# Altium PCB LimePSB-RPCM_1v3.PcbDoc (part 4 of 10)
Units mm, origin at the board's own origin, x right, y up, seen from the top; angles counter-clockwise.
Board outline 170 x 110 mm, 6 copper layers (Top, L2, L3, L4, L5, Bottom), stack 1.583 mm thick; 946 components, 565 nets, 4035 pads, 1752 vias.
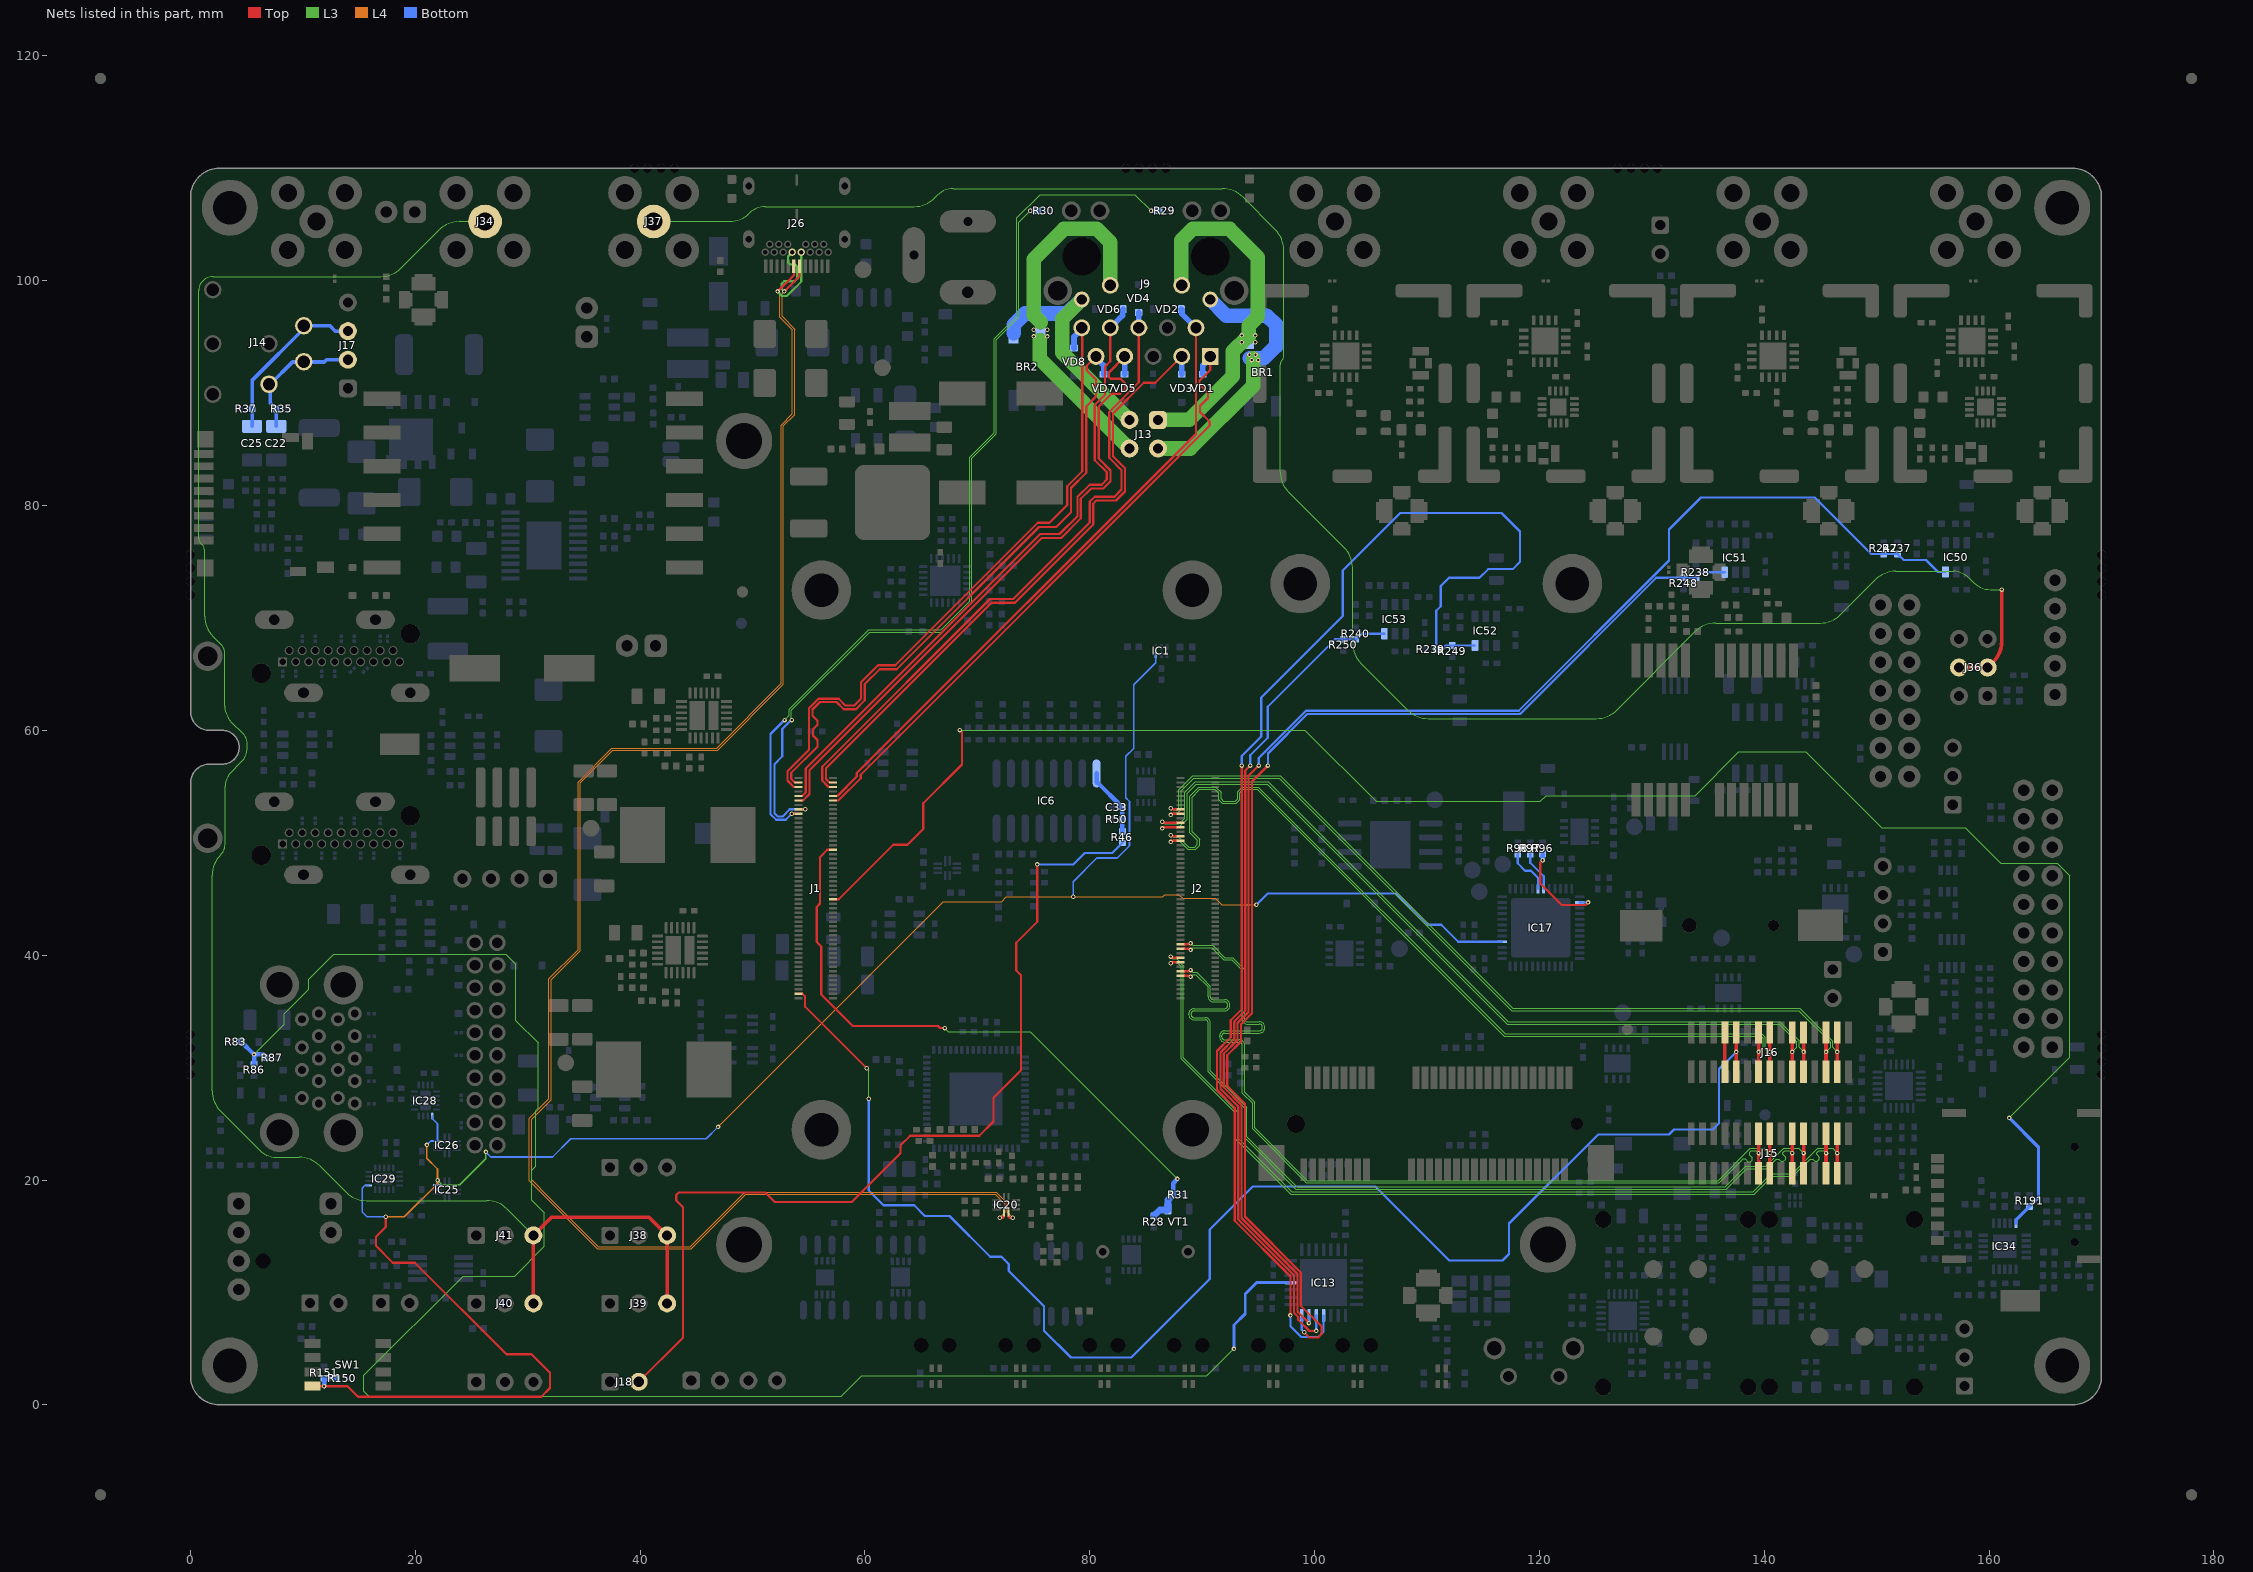
[diagram p8: the nets of this part, all layers, seen from the top]

## Part data (continued)
J21 J34 J37 J47 J48 J51 J52: library part RF_IF_connector, "CONN SMA JACK STR 50OHM EDGE MNT", Manufacturer=Linx, Manufacturer Part Number 1=CONSMA002-L-G, Supplier Part Number 1=CONSMA002-L-G-ND, Part Description="SMA Connector Receptacle, Female Socket 50Ohm Panel Mount, Through Hole, Right Angle Solder", Pricing 1="1=4.08, 25=3.67, 100=3.32, 250=3.25, 500=3, 1000=2.80001, 2000=2.5875 (USD)", Stock 1=815, Supplier 1=Digi-Key
J22 J33 J35 J44 J45 J46 J49 J50: library part RF_IF_connector, "CONN UMC RCPT STR 50 OHM SMD", Dielectric Material="Liquid Crystal Polymer (LCP)", Frequency - Max=6GHz, Housing Color=Silver, Manufacturer="Molex, LLC", Manufacturer Part Number 1=0734120110, Operating Temperature="-40°C ~ 90°C", Supplier Part Number 1=WM5587CT-ND, Voltage Rating=60V, Body Finish=Nickel, Body Material="Phosphor Bronze", Cable Group=-, Category="Connectors, Interconnects", Center Contact Material=Brass, Center Contact Plating=Gold, Connector Style="Ultra Miniature Coaxial", Connector Type="Jack, Male Pin", Contact Termination=Solder, Fastening Type=Snap-On, Features=-, Impedance="50 Ohm", Ingress Protection=-, Mounting Type="Surface Mount", Packaging="Cut Tape (CT)", Part Description="CONN UMC RCPT STR 50 OHM SMD", RoHS="RoHS Compliant", Shield Termination=Solder, Supplier 1=Digi-Key
J23: library part "Header 4X1 LOCK", Manufacturer=Molex, Manufacturer Part Number 1=47053-1000, Supplier Part Number 1=WM4330-ND, ComponentLink1Description=https://datasheet.ciiva.com/22683/1701278-22683428.pdf?src-supplier=Element14, ComponentLink1URL=https://datasheet.ciiva.com/22683/1701278-22683428.pdf?src-supplier=Element14, ComponentLink2Description=https://datasheet.ciiva.com/30226/191140470531000-pcb-headers-30226282.pdf?src-supplier=Onlinecomponents.com, ComponentLink2URL=https://datasheet.ciiva.com/30226/191140470531000-pcb-headers-30226282.pdf?src-supplier=Onlinecomponents.com, ComponentLink3Description=https://datasheet.ciiva.com/5153/0470531000-pcb-headers-146351-5153461.pdf?src-supplier=Mouser, ComponentLink3URL=https://datasheet.ciiva.com/5153/0470531000-pcb-headers-146351-5153461.pdf?src-supplier=Mouser, ComponentLink4Description=https://datasheet.ciiva.com/10090/0470531000-pcb-headers-10090525.pdf?src-supplier=Avnet, ComponentLink4URL=https://datasheet.ciiva.com/10090/0470531000-pcb-headers-10090525.pdf?src-supplier=Avnet, Manufacturer 1=Molex, Part Description="Connector Header Through Hole 4 position 0.100\" (2.54mm)", Pricing 1="1=0,56000, 10=0,47100, 100=0,36650, 1000=0,28797, 5000=0,25307, 10000=0,23561 (USD)", RoHS=Yes, Stock 1=76671, Supplier 1=Digi-Key
J26: library part DUAL_USB-C_632723100011, Manufacturer="Wurth Electronics", Manufacturer Part Number 1=632723100011, Supplier Part Number 1=732-9617-1-ND, ComponentLink1Description=http://www.alliedelec.com/m/d/e03b7b5d71e2d3e369c52d5c8eaca2b6.pdf?src-supplier=Allied+Electronics, ComponentLink1URL=http://www.alliedelec.com/m/d/e03b7b5d71e2d3e369c52d5c8eaca2b6.pdf?src-supplier=Allied+Electronics, ComponentLink2Description=http://www.jae.com/z-en/pdf_download_exec.cfm?param=SJ115995.pdf&src-supplier=Digi-Key, ComponentLink2URL=http://www.jae.com/z-en/pdf_download_exec.cfm?param=SJ115995.pdf&src-supplier=Digi-Key, ComponentLink3Description=https://www.mouser.com/ds/2/445/632723x00011-782157.pdf?src-supplier=Mouser, ComponentLink3URL=https://www.mouser.com/ds/2/445/632723x00011-782157.pdf?src-supplier=Mouser, ComponentLink4Description=https://katalog.we-online.de/em/datasheet/632723x00011.pdf?src-supplier=Digi-Key, ComponentLink4URL=https://katalog.we-online.de/em/datasheet/632723x00011.pdf?src-supplier=Digi-Key, Connector Type=USB, Gender=Receptacle, Mount="Surface Mount,Through Hole", Number of Contacts=24, Packaging="Tape and Reel", Part Description="USB - C (Type - C) USB 3.1 (USB 3.1 Gen 2, Superspeed+) Receptacle Connector 24 Position Surface Mount, Right Angle; Through Hole", Pricing 1="1=4,10000, 10=3,80000, 50=3,20000, 100=2,95000 (USD)", RoHS=Yes, Stock 1=1127, Supplier 1=Digi-Key
J28: "Header, 10-Pin, Dual row", Manufacturer=Molex, Manufacturer Part Number 1=87831-5920, Supplier Part Number 1=538-87831-5920, Part Description="Connector Header Through Hole 20 position 0.079\" (2.00mm). 19 pins loaded (pin 20 void)", Pricing 1="1=2,22, 10=1,98, 50=1,98, 100=1,74, 1000=1,49, 10000=1,35 (USD)", RoHS=Yes, Stock 1=4168, Supplier 1=Mouser
J30: library part Dual_USB_48406-0003_Molex, Manufacturer=Molex, Manufacturer Part Number 1=0484060003, Supplier Part Number 1=538-48406-0003, ComponentLink1Description=https://datasheet.octopart.com/48406-0003-Molex-datasheet-33003502.pdf?src-supplier=Newark, ComponentLink1URL=https://datasheet.octopart.com/48406-0003-Molex-datasheet-33003502.pdf?src-supplier=Newark, ComponentLink2Description=https://datasheet.octopart.com/48406-0003-Molex-datasheet-101583044.pdf?src-supplier=Farnell, ComponentLink2URL=https://datasheet.octopart.com/48406-0003-Molex-datasheet-101583044.pdf?src-supplier=Farnell, ComponentLink3Description=https://www.molex.com/pdm_docs/sd/484060003_sd.pdf?src-supplier=Digikey, ComponentLink3URL=https://www.molex.com/pdm_docs/sd/484060003_sd.pdf?src-supplier=Digikey, ComponentLink4Description=https://datasheet.octopart.com/484060003-Molex-datasheet-168216735.pdf?src-supplier=TME, ComponentLink4URL=https://datasheet.octopart.com/484060003-Molex-datasheet-168216735.pdf?src-supplier=TME, ComponentLink5Description=https://datasheet.octopart.com/48406-0003-Molex-datasheet-21137617.pdf?src-supplier=Sager+Electronics, ComponentLink5URL=https://datasheet.octopart.com/48406-0003-Molex-datasheet-21137617.pdf?src-supplier=Sager+Electronics, ComponentLink6Description=https://datasheet.octopart.com/48406-0003-Molex-datasheet-154752298.pdf?src-supplier=Master+Electronics, ComponentLink6URL=https://datasheet.octopart.com/48406-0003-Molex-datasheet-154752298.pdf?src-supplier=Master+Electronics, Part Description="USB Connectors USB 3.0 F/A STD RA REC STACKED 15u'", Pricing 1="1=2,69, 10=1,92, 50=1,92, 100=1,82, 1000=1,78, 10000=1,43 (USD)", RoHS=Yes, Stock 1=4086, Supplier 1=Mouser
J31 J32: library part HDMI_2007435-3, Contact Current Rating=500mA, Housing Color=Black, Manufacturer="TE Connectivity", Manufacturer Part Number 1=2007435-3, Max Operating Temperature=185°C, Min Operating Temperature=-4°C, Supplier Part Number 1=A118325-ND, Circuit Application=Signal, ComponentLink1Description=https://datasheet.octopart.com/RAVHD19ETR-Switchcraft-datasheet-151548520.pdf?src-supplier=Sager+Electronics, ComponentLink1URL=https://datasheet.octopart.com/RAVHD19ETR-Switchcraft-datasheet-151548520.pdf?src-supplier=Sager+Electronics, ComponentLink2Description=https://datasheet.ciiva.com/29660/eng-cd-2007435-d-29660043.pdf?src-supplier=Digikey, ComponentLink2URL=https://datasheet.ciiva.com/29660/eng-cd-2007435-d-29660043.pdf?src-supplier=Digikey, Connector System=Cable-to-Board, Connector Type=Receptacle, Contact Material="Copper Alloy", Contact Plating=Gold, ELV=Compliant, Gender=Receptacle, Housing Material=Polybutylene, Insulation Color=Black, Lead Free="Lead Free", Length=7.7mm, Mount="Through Hole", Number of Contacts=19, Number of Ports=1, Number of Positions=19, Orientation="Right Angle", Packaging="Tape and Reel", Part Description="CONN RCPT HDMI 19POS PCB R/A", Pitch=0.039inch, Plating="Stainless Steel", Preloaded=Yes, Pricing 1="1=6, 10=4,899, 25=4,7592, 40=3,93475, 168=3,89262 (USD)", RoHS=Yes, RoHS Compliant=Yes, Series=-, Shielding=Shielded, Stock 1=79, Supplier 1=Digikey, Tail Length=2.3mm, Termination="Through Hole"
J36: "Header, 2-Pin, Dual row", Manufacturer="Adam Equipment", Manufacturer Part Number=PH2-06-UA, Supplier Part Number 1=2057-PH2-06-UA-ND, ComponentLink1Description=http://uk.rs-online.com/webdocs/1406/0900766b81406898.pdf, ComponentLink1URL=http://uk.rs-online.com/webdocs/1406/0900766b81406898.pdf, ComponentLink2Description=https://www.verical.com/server-webapp/html/getDatasheet?partID=483857, ComponentLink2URL=https://www.verical.com/server-webapp/html/getDatasheet?partID=483857, ComponentLink3Description=http://www.farnell.com/cad/112195.pdf, ComponentLink3URL=http://www.farnell.com/cad/112195.pdf, ComponentLink4Description=https://datasheet.ciiva.com/16479/page-292-295-16479745.pdf?src-supplier=Future+Electronics, ComponentLink4URL=https://datasheet.ciiva.com/16479/page-292-295-16479745.pdf?src-supplier=Future+Electronics, Lead Free="Lead Free", Manufacturer 1="Adam Equipment", Manufacturer Part Number 1=PH2-06-UA, Part Description="Connector Header Through Hole 6 position 0.100\" (2.54mm)", Pricing 1="1=0,13000, 10=0,10400, 100=0,07640, 500=0,06326, 1000=0,05535, 5000=0,04744, 10000=0,04612 (USD)", RoHS=Yes, Stock 1=59749, Supplier 1=Digi-Key
J54: "Power Connector, THT, 2.1mm ID, 5.5mm OD", Color=Black, Current Rating=2.5A, Flammability Rating="UL94 V-0", Insulation Resistance=50MR, Manufacturer=CUI, Manufacturer Part Number 1=PJ-002A, Max Operating Temperature=85°C, Min Operating Temperature=-25°C, Package Quantity=500, Supplier Part Number 1=CP-002A-ND, Voltage Rating=24V, ComponentLink1Description=https://www.verical.com/server-webapp/html/getDatasheet?partID=110865, ComponentLink1URL=https://www.verical.com/server-webapp/html/getDatasheet?partID=110865, ComponentLink2Description=http://www.switchcraft.com/Documents/Jack_Schematics.pdf, ComponentLink2URL=http://www.switchcraft.com/Documents/Jack_Schematics.pdf, Connector Type=Jack, Contact Gender=Male, Contact Material="Copper,Copper Alloy", Contact Plating=Nickel,Tin, Diameter=2.1mm, Gender=Male, Housing Color=Black, Housing Material=Thermoplastic, Lead Free="Lead Free", Mount="Through Hole", Number of Conductors=2, Orientation=Horizontal, Packaging=Bulk, Part Description="Power Barrel Connector Jack 2.10mm ID (0.083\"), 5.50mm OD (0.217\") Through Hole, Right Angle", Pricing 1="1 = 0,60000, 10 = 0,55800, 25 = 0,50240, 50 = 0,44640, 100 = 0,42780, 250 = 0,39060, 500 = 0,37200, 1000 = 0,30690, 2500 = 0,27900 (USD)", RoHS=Yes, Shielding=Unshielded, Stock 1=181439, Supplier 1=Digi-Key, Termination="Through Hole"
J57: library part Header4P, "Header, 4-pin", Manufacturer=Molex, Manufacturer Part Number=0874370443, Supplier Part Number 1=WM7664CT-ND, ComponentLink1Description=http://katalog.we-online.de/em/datasheet/6130xx11121.pdf, ComponentLink1URL=http://katalog.we-online.de/em/datasheet/6130xx11121.pdf, ComponentLink2Description=https://datasheet.ciiva.com/6813/874370443-sd-6813714.pdf?src-supplier=Digi-Key, ComponentLink2URL=https://datasheet.ciiva.com/6813/874370443-sd-6813714.pdf?src-supplier=Digi-Key, ComponentLink3Description=https://datasheet.ciiva.com/3935/197970874370443-pcb-headers-3935892.pdf?src-supplier=Arrow+Electronics, ComponentLink3URL=https://datasheet.ciiva.com/3935/197970874370443-pcb-headers-3935892.pdf?src-supplier=Arrow+Electronics, ComponentLink4Description=https://datasheet.ciiva.com/6813/874370443-sd-6813717.pdf?src-supplier=Digi-Key, ComponentLink4URL=https://datasheet.ciiva.com/6813/874370443-sd-6813717.pdf?src-supplier=Digi-Key, ComponentLink5Description=https://datasheet.ciiva.com/6813/874370443-sd-6813721.pdf?src-supplier=Digi-Key, ComponentLink5URL=https://datasheet.ciiva.com/6813/874370443-sd-6813721.pdf?src-supplier=Digi-Key, Manufacturer 1=Molex, Manufacturer Part Number 1=0874370443, Part Description="Connector Header Surface Mount 4 position 0.059\" (1.50mm)", Pricing 1="1=0,72000, 10=0,61200, 100=0,47560 (USD)", RoHS=Yes, Stock 1=30818, Supplier 1=Digi-Key
L1: library part Inductor_0603, DC Current Rating=420, DC Resistance Max=0.58, High Frequency Inductor Case="0402 [1005 Metric]", Inductance=47, Inductance Tolerance="± 5%", Inductor Construction=Wirewound, Manufacturer=COILCRAFT, Manufacturer Part Number=0402HP-47NXJLU, Self Resonant Frequency Min=2.4, Supplier Part Number 1=2285856, Inductor Case Style="0402 [1005 Metric]", Manufacturer Part Number 1=0402HP-47NXJLU, Packaging="Cut Tape", Part Description="INDUCTOR, RF, 47NH, 5%, 2.4GHZ, SMD; Product Range:0402HP Series; Inductance:47nH; Inductance Tolerance:± 5%; High Frequency Inductor Case:0402 [1005 Metric]; Self Resonant Frequency Min:2.4GHz; DC Resistance Max:0.58ohm; DC Current Rating:420mA", Product Range=0402, RoHS=Y-EX, Supplier 1=Farnell, SVHC="No SVHC (15-Jun-2015)"
L2 L3: library part Inductor, Manufacturer=TDK, Manufacturer Part Number 1=MLZ1608DR22DT000, Supplier Part Number 1=445-6387-1-ND, ComponentLink1Description=http://productfinder.pulseeng.com/products/datasheets/WC701.pdf, ComponentLink1URL=http://productfinder.pulseeng.com/products/datasheets/WC701.pdf, ComponentLink2Description=https://datasheet.ciiva.com/11799/0900766b80a002db-11799279.pdf?src-supplier=RSComponents, ComponentLink2URL=https://datasheet.ciiva.com/11799/0900766b80a002db-11799279.pdf?src-supplier=RSComponents, ComponentLink3Description=https://datasheet.ciiva.com/14124/qhlqw18a-data-e-14124619.pdf?src-supplier=Distrelec, ComponentLink3URL=https://datasheet.ciiva.com/14124/qhlqw18a-data-e-14124619.pdf?src-supplier=Distrelec, ComponentLink4Description=https://datasheet.ciiva.com/6705/l0075s0080lqw18a-00-6705627.pdf?src-supplier=Digi-Key, ComponentLink4URL=https://datasheet.ciiva.com/6705/l0075s0080lqw18a-00-6705627.pdf?src-supplier=Digi-Key, ComponentLink5Description=https://datasheet.ciiva.com/6705/l0075s0080lqw18a-00-6705626.pdf?src-supplier=Digi-Key, ComponentLink5URL=https://datasheet.ciiva.com/6705/l0075s0080lqw18a-00-6705626.pdf?src-supplier=Digi-Key, ComponentLink6Description=https://datasheet.ciiva.com/6705/l0075s0080lqw18a-00-6705631.pdf?src-supplier=Digi-Key, ComponentLink6URL=https://datasheet.ciiva.com/6705/l0075s0080lqw18a-00-6705631.pdf?src-supplier=Digi-Key, ComponentLink7Description=https://datasheet.ciiva.com/4977/product-4977173.pdf?src-supplier=Mouser, ComponentLink7URL=https://datasheet.ciiva.com/4977/product-4977173.pdf?src-supplier=Mouser, ComponentLink8Description=https://datasheet.ciiva.com/46391/1487239-46391853.pdf?src-supplier=Element14, ComponentLink8URL=https://datasheet.ciiva.com/46391/1487239-46391853.pdf?src-supplier=Element14, ComponentLink9Description=https://datasheet.ciiva.com/8507/l0075s0080lqw18a-00-8507496.pdf?src-supplier=Avnet, ComponentLink9URL=https://datasheet.ciiva.com/8507/l0075s0080lqw18a-00-8507496.pdf?src-supplier=Avnet, ComponentLink10Description=https://datasheet.ciiva.com/29698/inductor-commercial-decoupling-mlz-en-29698909.pdf?src-supplier=Digikey, ComponentLink10URL=https://datasheet.ciiva.com/29698/inductor-commercial-decoupling-mlz-en-29698909.pdf?src-supplier=Digikey, ComponentLink11Description=https://datasheet.ciiva.com/29698/inductor-commercial-decoupling-mlz-en-29698910.pdf?src-supplier=Digikey, ComponentLink11URL=https://datasheet.ciiva.com/29698/inductor-commercial-decoupling-mlz-en-29698910.pdf?src-supplier=Digikey, ComponentLink12Description=https://datasheet.ciiva.com/29698/inductor-commercial-decoupling-mlz-en-29698911.pdf?src-supplier=Digikey, ComponentLink12URL=https://datasheet.ciiva.com/29698/inductor-commercial-decoupling-mlz-en-29698911.pdf?src-supplier=Digikey, Part Description="Fixed Inductors 220 NH 2%", Pricing 1="1=0,12, 10=0,095, 25=0,0876, 50=0,0772, 100=0,0676, 250=0,06436, 500=0,06052, 1000=0,04635 (USD)", RoHS=Yes, Stock 1=11427, Supplier 1=Digikey
L4 L5 L6 L7: library part Inductor, Case/Package=0603, Case Code (Metric)=1608, Current=400mA, Current Rating=500mA, DC Resistance (DCR)=170mR, Inductance=22nH, Inductance Tolerance=2%, Manufacturer=Murata, Manufacturer Part Number 1=LQW18AN22NG00D, Max Operating Temperature=125°C, Min Operating Temperature=-55°C, Package Quantity=4000, Resistor Type=Wirewound, Self Resonant Frequency=4.6GHz, Supplier Part Number 1=490-6874-1-ND, Test Frequency=100MHz, Case Code (Imperial)=0603, ComponentLink1Description=http://productfinder.pulseeng.com/products/datasheets/WC701.pdf, ComponentLink1URL=http://productfinder.pulseeng.com/products/datasheets/WC701.pdf, ComponentLink2Description=https://datasheet.ciiva.com/11799/0900766b80a002db-11799279.pdf?src-supplier=RSComponents, ComponentLink2URL=https://datasheet.ciiva.com/11799/0900766b80a002db-11799279.pdf?src-supplier=RSComponents, ComponentLink3Description=https://datasheet.ciiva.com/14124/qhlqw18a-data-e-14124619.pdf?src-supplier=Distrelec, ComponentLink3URL=https://datasheet.ciiva.com/14124/qhlqw18a-data-e-14124619.pdf?src-supplier=Distrelec, ComponentLink4Description=https://datasheet.ciiva.com/6705/l0075s0080lqw18a-00-6705627.pdf?src-supplier=Digi-Key, ComponentLink4URL=https://datasheet.ciiva.com/6705/l0075s0080lqw18a-00-6705627.pdf?src-supplier=Digi-Key, ComponentLink5Description=https://datasheet.ciiva.com/6705/l0075s0080lqw18a-00-6705626.pdf?src-supplier=Digi-Key, ComponentLink5URL=https://datasheet.ciiva.com/6705/l0075s0080lqw18a-00-6705626.pdf?src-supplier=Digi-Key, ComponentLink6Description=https://datasheet.ciiva.com/6705/l0075s0080lqw18a-00-6705631.pdf?src-supplier=Digi-Key, ComponentLink6URL=https://datasheet.ciiva.com/6705/l0075s0080lqw18a-00-6705631.pdf?src-supplier=Digi-Key, ComponentLink7Description=https://datasheet.ciiva.com/4977/product-4977173.pdf?src-supplier=Mouser, ComponentLink7URL=https://datasheet.ciiva.com/4977/product-4977173.pdf?src-supplier=Mouser, ComponentLink8Description=https://datasheet.ciiva.com/46391/1487239-46391853.pdf?src-supplier=Element14, ComponentLink8URL=https://datasheet.ciiva.com/46391/1487239-46391853.pdf?src-supplier=Element14, ComponentLink9Description=https://datasheet.ciiva.com/8507/l0075s0080lqw18a-00-8507496.pdf?src-supplier=Avnet, ComponentLink9URL=https://datasheet.ciiva.com/8507/l0075s0080lqw18a-00-8507496.pdf?src-supplier=Avnet, Core Material=Non-Magnetic, DC Current=500mA, Depth=1mm, Height=0.8mm, Height - Seated (Max)=0.039inch, Lead Free="Lead Free", Length=1.6mm, Max DC Current=500mA, Military Standard=Not, Mount="Surface Mount", Number of Pins=2, Packaging="Tape and Reel", Part Description="Fixed Inductors 22 NH 2%", Pricing 1="1=0,18000, 10=0,16300, 25=0,14520, 50=0,12340, 100=0,10890, 250=0,09984, 500=0,09076, 1000=0,07623 (USD)", Q Factor=40, Rated Current-Max=500mA, REACH SVHC="No SVHC", RoHS=Yes, RoHS Compliant=Yes, Series=LQW18A_00, Series Resistance=170mR, Shielding=Unshielded, Stock 1=60315, Supplier 1=Digi-Key, Termination=SMD/SMT, Tolerance=2%, Weight=0.000106oz, Width=0.8mm
L8 L9: library part Inductor_0603, Case/Package=Nonstandard, Current Rating=3.2A, DC Resistance (DCR)=32.4mR, Inductance=1uH, Inductance Tolerance=30%, Manufacturer="Taiyo Yuden", Manufacturer Part Number 1=NRS4018T1R0NDGJ, Max DC Current=4A, Max Operating Temperature=125°C, Min Operating Temperature=-25°C, Package Quantity=3500, Resistor Type=Wirewound, Self Resonant Frequency=90MHz, Supplier Part Number 1=587-2888-1-ND, Test Frequency=100kHz, ComponentLink1Description=https://www.yuden.co.jp/productdata/catalog/en/wound04_e.pdf, ComponentLink1URL=https://www.yuden.co.jp/productdata/catalog/en/wound04_e.pdf, ComponentLink2Description=http://uk.rs-online.com/webdocs/10b3/0900766b810b3cd2.pdf, ComponentLink2URL=http://uk.rs-online.com/webdocs/10b3/0900766b810b3cd2.pdf, ComponentLink3Description=https://datasheet.ciiva.com/1043/nrs4018t1r0ndgj-ss-1043587.pdf?src-supplier=Digi-Key, ComponentLink3URL=https://datasheet.ciiva.com/1043/nrs4018t1r0ndgj-ss-1043587.pdf?src-supplier=Digi-Key, ComponentLink4Description=https://datasheet.ciiva.com/25607/0900766b810b3cd2-25607942.pdf?src-supplier=RSComponents, ComponentLink4URL=https://datasheet.ciiva.com/25607/0900766b810b3cd2-25607942.pdf?src-supplier=RSComponents, ComponentLink5Description=https://datasheet.ciiva.com/8504/nrs4018t1r0ndgj-ss-8504305.pdf?src-supplier=Avnet, ComponentLink5URL=https://datasheet.ciiva.com/8504/nrs4018t1r0ndgj-ss-8504305.pdf?src-supplier=Avnet, Core Material=Ferrite, Depth=4.2mm, Halogen Free="Halogen Free", Height=1.8mm, Height - Seated (Max)=0.071inch, Lead Free="Lead Free", Lead Pitch=2.8mm, Length=4mm, Mount="Surface Mount", Number of Pins=2, Packaging="Cut Tape", Part Description="1 µH Shielded Drum Core, Wirewound Inductor 3.2 A 32.4mOhm Max Nonstandard", Pricing 1="1=0,27000, 10=0,23800, 25=0,20840, 50=0,17860, 100=0,16370, 250=0,14884, 500=0,13990, 1000=0,10716 (USD)", Radiation Hardening=No, REACH SVHC=Unknown, RMS Current (Irms)=3.2A, RoHS=Yes, RoHS Compliant=Yes, Saturation Current=4A, Series=NRS, Shielding=Shielded, Stock 1=277625, Supplier 1=Digi-Key, Termination=SMD/SMT, Tolerance=30%, Width=0.157inch
L10: library part Inductor_0603, Current - Saturation=25.6A, Current Rating=12A, DC Resistance (DCR)="9 mOhm Max", Frequency - Self Resonant=-, Frequency - Test=100kHz, Manufacturer="Vishay Dale", Manufacturer Part Number 1=IHLP4040DZER2R2M01, Operating Temperature="-55°C ~ 125°C", Package / Case=Nonstandard, Supplier Part Number 1=541-1299-1-ND, Tolerance=±20%, Category="Inductors, Coils, Chokes", Height - Seated (Max)="0.158\" (4.00mm)", Inductance=2.2µH, Material - Core=-, Mounting Type="Surface Mount", Packaging="Cut Tape (CT)", Part Description="2.2µH Shielded Molded Inductor 12A 9 mOhm Max Nonstandard", Q @ Freq=-, RoHS="RoHS Compliant", Shielding=Shielded, Size / Dimension="0.430\" L x 0.405\" W (10.92mm x 10.30mm)", Supplier 1=Digi-Key, Supplier Device Package=-, Type=Molded
L11: library part Inductor_0603, Current - Saturation=18.6A, Current Rating=10A, DC Resistance (DCR)="14.4 mOhm Max", Frequency - Self Resonant=-, Frequency - Test=100kHz, Manufacturer="Vishay Dale", Manufacturer Part Number 1=IHLP4040DZER3R3M01, Operating Temperature="-55°C ~ 125°C", Package / Case=Nonstandard, Supplier Part Number 1=541-1298-1-ND, Tolerance=±20%, Category="Inductors, Coils, Chokes", Height - Seated (Max)="0.158\" (4.00mm)", Inductance=3.3µH, Material - Core=-, Mounting Type="Surface Mount", Packaging="Cut Tape (CT)", Part Description="3.3µH Shielded Molded Inductor 10A 14.4 mOhm Max Nonstandard", Q @ Freq=-, RoHS="RoHS Compliant", Shielding=Shielded, Size / Dimension="0.430\" L x 0.405\" W (10.92mm x 10.30mm)", Supplier 1=Digi-Key, Supplier Device Package=-, Type=Molded
LED1 LED2 LED3 LED4 LED5 LED6 LED7: library part LED_green_red_SMD, Color="Green, Red", Current - Test=20mA, Lens Color=White, Manufacturer="Avago Technologies US Inc.", Manufacturer Part Number 1=HSMF-C165, Millicandela Rating="15mcd Green, 10mcd Red", Package / Case="0603 (1608 Metric)", Supplier Part Number 1=516-1419-1-ND, Voltage - Forward (Vf) (Typ)="2.2V Green, 1.95V Red", Category=Optoelectronics, Height (Max)=0.50mm, Lens Style/Size="Rectangle with Flat Top, 1.60mm x 0.80mm", Lens Transparency=Diffused, Mounting Type="Surface Mount", Packaging="Cut Tape (CT)", Part Description="LED GREEN/RED DIFFUSED 0603 SMD", RoHS="RoHS Compliant", Size / Dimension="1.60mm L x 0.80mm W", Supplier 1=Digi-Key, Viewing Angle=120°, Wavelength - Dominant="572nm Green, 621nm Red", Wavelength - Peak="570nm Green, 636nm Red"
LED8: Color=Green, Current - Test=20mA, Manufacturer="Avago Technologies US Inc.", Manufacturer Part Number 1=HSMG-C190, Package / Case="0603 (1608 Metric)", Supplier Part Number 1=516-1425-2-ND, Voltage - Forward (Vf) (Typ)=2.2V, Assembly Info=NF, Category=Optoelectronics, Part Description="Green 572nm LED Indication - Discrete 2.2V 0603 (1608 Metric)", Supplier 1=Digi-Key
LED9: library part LED_green, Current - Test=20mA, Manufacturer="Avago Technologies US Inc.", Manufacturer Part Number 1=HSMG-C190, Package / Case="0603 (1608 Metric)", Supplier Part Number 1=516-1425-2-ND, Voltage - Forward (Vf) (Typ)=2.2V, Assembly Info=NF, Category=Optoelectronics, Color=Green, Part Description="Green 572nm LED Indication - Discrete 2.2V 0603 (1608 Metric)", Supplier 1=Digi-Key
MECH13 MECH14 MECH15 MECH16 MECH17 MECH18: library part LIGHT_PIPE_RIGHT_ANGLE_SLP3-200-100-F, Manufacturer=Bivar, Manufacturer Part Number 1=SLP3-200-100-F, Supplier Part Number 1=492-1865-ND, ComponentLink1Description=https://datasheet.ciiva.com/1535/1760190-1535004.pdf?src-supplier=Element14, ComponentLink1URL=https://datasheet.ciiva.com/1535/1760190-1535004.pdf?src-supplier=Element14, ComponentLink2Description=https://datasheet.ciiva.com/48976/70536303-48976693.pdf?src-supplier=Allied+Electronics, ComponentLink2URL=https://datasheet.ciiva.com/48976/70536303-48976693.pdf?src-supplier=Allied+Electronics, ComponentLink3Description=https://datasheet.ciiva.com/18526/slp3-xxx-xxx-x-18526910.pdf?src-supplier=Digi-Key, ComponentLink3URL=https://datasheet.ciiva.com/18526/slp3-xxx-xxx-x-18526910.pdf?src-supplier=Digi-Key, Part Description="Light Pipe Single Clear Rigid Board Mount, Press Fit, Right Angle", Pricing 1="1=0,70000, 10=0,45900, 100=0,30340, 1000=0,23424, 2000=0,21167, 5000=0,19755, 10000=0,19050, 25000=0,18768 (USD)", RoHS=Yes, Stock 1=11458, Supplier 1=Digi-Key
MECH19 MECH20 MECH21 MECH22: library part "STANDOFF_M-F_THREADED_M3x8x10mm_HEX_5mm dia", "STANDOFF M/F MET 5MM HEX 10MM L", Colour=natural, Manufacturer=FIX&FASTEN, Manufacturer Part Number 1=FIX-MAE-5TV, Category="Plastic Pegs", Internal thread=M3, Material=polyamide, MinAmount=10, Multiples=10, Panel cutout diameter=3mm, Part Description="PCB distance; polyamide; L:5mm; Colour: natural; Øcutout:3mm", Price Type=NET, Spacer length=5mm, Spanner size=5.5mm, SuppliedAmount=1000, Supplier 1=TME, Supplier Part Number 1=FIX-MAE-5TV, Thread pitch=0,5, Type of spacer="PCB distance", Unit=pcs, Weight=0.145
MECH35 MECH36 MECH37 MECH38: library part RF_SHIELD_FRAME_16P5x16P5_2118716-2, Manufacturer="TE Connectivity", Manufacturer Part Number 1=2118716-2, Supplier Part Number 1=A126152CT-ND, ComponentLink1Description=https://www.te.com/commerce/DocumentDelivery/DDEController?Action=srchrtrv&DocNm=2118716&DocType=Customer+Drawing&DocLang=English&src-supplier=Digi-Key, ComponentLink1URL=https://www.te.com/commerce/DocumentDelivery/DDEController?Action=srchrtrv&DocNm=2118716&DocType=Customer+Drawing&DocLang=English&src-supplier=Digi-Key, Part Description="RF Shield Frame 0.650\" (16.50mm) X 0.650\" (16.50mm) Surface Mount", Pricing 1="1=0,93000, 10=0,81600, 25=0,76680, 100=0,62570, 250=0,58120 (USD)", RoHS=Yes, Stock 1=26553, Supplier 1=Digi-Key
MECH39 MECH40 MECH41 MECH42: library part RF_SHIELD_COVER_16P9x16P9_2118715-2, Manufacturer="TE Connectivity", Manufacturer Part Number 1=2118715-2, Supplier Part Number 1=A126120-ND, ComponentLink1Description=https://www.te.com/commerce/DocumentDelivery/DDEController?Action=srchrtrv&DocNm=2118716&DocType=Customer+Drawing&DocLang=English&src-supplier=Digi-Key, ComponentLink1URL=https://www.te.com/commerce/DocumentDelivery/DDEController?Action=srchrtrv&DocNm=2118716&DocType=Customer+Drawing&DocLang=English&src-supplier=Digi-Key, ComponentLink2Description=https://www.te.com/commerce/DocumentDelivery/DDEController?Action=srchrtrv&DocNm=2118715&DocType=Customer+Drawing&DocLang=English&src-supplier=Digi-Key, ComponentLink2URL=https://www.te.com/commerce/DocumentDelivery/DDEController?Action=srchrtrv&DocNm=2118715&DocType=Customer+Drawing&DocLang=English&src-supplier=Digi-Key, Part Description="RF Shield Cover 0.665\" (16.90mm) X 0.665\" (16.90mm) Vented Surface Mount", Pricing 1="1=1,44000, 10=1,28900, 25=1,22400, 100=1,00530, 250=0,93972, 500=0,83046, 1000=0,65562, 2500=0,61191, 5000=0,58132 (USD)", RoHS=Yes, Stock 1=58094, Supplier 1=Digi-Key
R1 R2 R3 R4 R5 R7 R8 R9 R10 R11 R12 R13 R17 R18 R20 R21 R22 R24 R28 R32 R39 R47 R51 R52 R75 R77 R79 R80 R82 R84 R86 R88 R90 R94 R99 R100 R103 R104 R105 R106 R107 R108 R111 R114 R115 R116 R119 R121 R125 R127 R128 R129 R133 R134 R140 R141 R142 R143 R144 R145 R146 R147 R149 R150 R152 R153 R154 R155 R156 R158 R159 R161 R164 R165 R166 R167 R169 R170 R171 R172 R173 R175 R176 R177 R178 R179 R181 R184 R186 R203 R204 R205 R207 R208 R209 R210 R211 R212 R213 R215 R216 R217 R218 R219 R221 R222 R223 R224 R225 R226 R228 R229 R230 R231 R232 R233 R234 R235 R236 R243 R244 R245 R246 R270 R291 R296 R297 R313 R317 R321: library part Res_0402, Manufacturer=Yageo, Manufacturer Part Number 1=RC0402JR-070RL, Operating Temperature="-55°C ~ 155°C", Package / Case="0402 (1005 Metric)", Power (Watts)="0.063W, 1/16W", Resistance (Ohms)=0.0, Supplier Device Package=0402, Supplier Part Number 1=311-0.0JRTR-ND, Temperature Coefficient=-, Tolerance=Jumper, Category=Resistors, Composition="Thick Film", Features="Moisture Resistant", Height="0.016\" (0.40mm)", Number of Terminations=2, Packaging="Tape & Reel (TR)", Part Description="RES SMD 0.0OHM JUMPER 1/16W 0402", RoHS="RoHS Compliant", Size / Dimension="0.039\" L x 0.020\" W (1.00mm x 0.50mm)", Supplier 1=Digi-Key
  R1 R2 R4 R8 R9 R10 R11 R12 R13 R17 R18 R21 R22 R24 R28 R32 R51 R75 R77 R79 R80 R84 R86 R88 R104 R106 R111 R114 R115 R128 R133 R140 R141 R144 R145 R147 R150 R152 R153 R155 R156 R159 R161 R169 R170 R171 R172 R173 R175 R176 R177 R178 R179 R208 R209 R210 R212 R213 R215 R216 R217 R218 R221 R222 R226 R228 R230 R231 R233 R234 R235 R236 R243 R244 R245 R246 R291 R317 R321: Assembly Info=NF
R14 R83 R87 R237 R238 R239 R240 R247 R248 R249 R250 R302 R309: library part Res_0402, Case/Package=SMD/SMT, Manufacturer=Vishay, Manufacturer Part Number 1=CRCW0402100KFKEDC, Max Operating Temperature=155°C, Min Operating Temperature=-55°C, Power Rating=62.5mW, Resistance=100kR, Resistor Type="Thick Film", Supplier Part Number 1=541-3960-6-ND, Temperature Coefficient=100ppm/°C, Tolerance=1%, ComponentLink1Description=http://www.vishay.com/docs/28773/crcwce3.pdf?src-supplier=Digi-Key, ComponentLink1URL=http://www.vishay.com/docs/28773/crcwce3.pdf?src-supplier=Digi-Key, Contact Plating=Tin, Lead Free="Lead Free", Length=1mm, Mount="Surface Mount", Part Description="100 kOhms ±1% 0.063W, 1/16W Chip Resistor 0402 (1005 Metric) Thick Film", Pricing 1="1=0,10000, 10=0,03300, 100=0,01360, 1000=0,00610, 2500=0,00529, 5000=0,00437 (USD)", RoHS=Yes, RoHS Compliant=Yes, Stock 1=702107, Supplier 1=Digi-Key, Termination=Wraparound
  R87 R237 R238 R239 R240: Assembly Info=NF
R15 R23 R25 R27 R40 R46 R48 R49 R50 R53 R54 R55 R56 R57 R58 R66 R69 R74 R102 R109 R110 R113 R117 R118 R120 R123 R130 R131 R132 R135 R136 R137 R151 R160 R162 R190 R191 R192 R194 R199 R227 R251 R252 R253 R254 R279 R293 R294 R295 R298 R300: library part Res_0402, Manufacturer=Yageo, Manufacturer Part Number 1=RC0402FR-0710KL, Operating Temperature="-55°C ~ 155°C", Package / Case="0402 (1005 Metric)", Power (Watts)="0.063W, 1/16W", Resistance (Ohms)=10k, Supplier Device Package=0402, Supplier Part Number 1=311-10.0KLRTR-ND, Temperature Coefficient=±100ppm/°C, Tolerance=±1%, Category=Resistors, Composition="Thick Film", Features="Moisture Resistant", Height="0.016\" (0.40mm)", Number of Terminations=2, Packaging="Tape & Reel (TR)", Part Description="RES SMD 10K OHM 1% 1/16W 0402", RoHS="RoHS Compliant", Size / Dimension="0.039\" L x 0.020\" W (1.00mm x 0.50mm)", Supplier 1=Digi-Key
  R48 R49 R50 R66 R131 R135 R137 R190 R194 R199 R293 R295: Assembly Info=NF
R16 R19 R35 R37 R42 R43 R126 R138 R139 R278 R287 R292: library part Res_0402, Manufacturer="Stackpole Electronics Inc", Manufacturer Part Number 1=RMCF0402FT2K20, Operating Temperature="-55°C ~ 155°C", Package / Case="0402 (1005 Metric)", Power (Watts)="0.063W, 1/16W", Resistance (Ohms)=2.2k, Supplier Device Package=0402, Supplier Part Number 1=RMCF0402FT2K20CT-ND, Temperature Coefficient=±100ppm/°C, Tolerance=±1%, Category=Resistors, Composition="Thick Film", Features=-, Height="0.016\" (0.40mm)", Number of Terminations=2, Packaging="Cut Tape (CT)", Part Description="RES SMD 2.2K OHM 1% 1/16W 0402", RoHS="RoHS Compliant", Size / Dimension="0.039\" L x 0.020\" W (1.00mm x 0.50mm)", Supplier 1=Digi-Key
  R126 R278 R292: Assembly Info=NF
R26 R29 R30 R148 R157 R163 R188 R255 R256 R257 R258 R319: library part Res_0402, Case/Package=0402, Case Code (Metric)=1005, Manufacturer=Yageo, Manufacturer Part Number 1=RC0402FR-07470RL, Max Operating Temperature=155°C, Max Power Dissipation=63mW, Min Operating Temperature=-55°C, Package Quantity=1, Power Rating=62.5mW, Resistance=470R, Resistance Tolerance=1%, Resistor Type="Thick Film", Supplier Part Number 1=311-470LRCT-ND, Temperature Coefficient=100ppm/°C, Voltage Rating=50V, Case Code (Imperial)=0402, Construction=Rectangular, Depth=0.5mm, Features="Moisture Resistant", Height=0.016inch, Lead Free="Lead Free", Length=1mm, Military Standard=Not, Number of Terminations=2, Packaging="Tape and Reel", Part Description="470 Ohms ±1% 0.063W, 1/16W Chip Resistor 0402 (1005 Metric) Moisture Resistant Thick Film", Pricing 1="1=0,10000, 10=0,01600, 100=0,00660, 1000=0,00299, 2500=0,00259, 5000=0,00214 (USD)", REACH SVHC=Unknown, RoHS=Yes, RoHS Compliant=Yes, Series=RC, Size Code=0402, Stock 1=1652476, Supplier 1=Digi-Key, Termination=SMD/SMT, Tolerance=1%, Width=0.02inch